# Altium PCB SVPXFMC_Carrier_6U.PcbDoc (part 1 of 3) (continued)
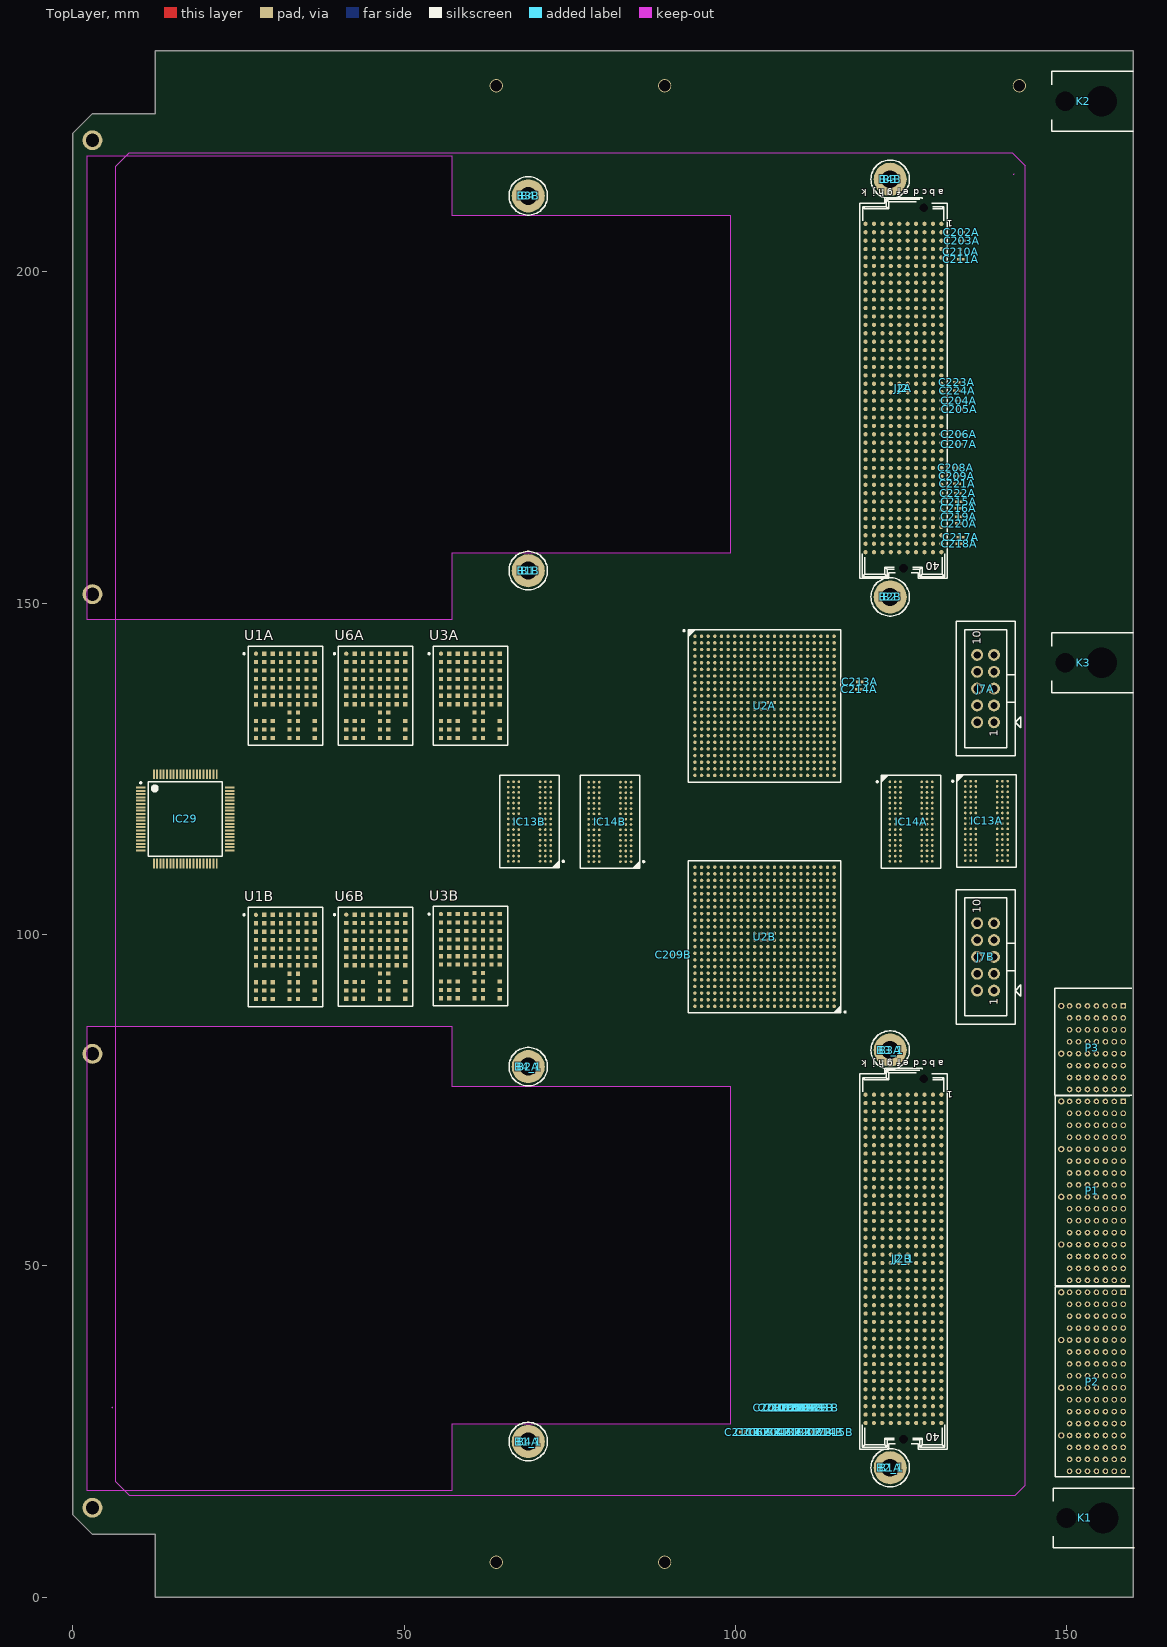
[diagram p0: TopLayer view]
## Classes and differential pairs (continued)
differential pair LA00_CCA: +LA00_CCA_P -LA00_CCA_N
differential pair HB21B: +HB21B_P -HB21B_N
differential pair HB21A: +HB21A_P -HB21A_N
differential pair HB20B: +HB20B_P -HB20B_N
differential pair HB20A: +HB20A_P -HB20A_N
differential pair HB19B: +HB19B_P -HB19B_N
differential pair HB19A: +HB19A_P -HB19A_N
differential pair HB18B: +HB18B_P -HB18B_N
differential pair HB18A: +HB18A_P -HB18A_N
differential pair HB17_CCB: +HB17_CCB_P -HB17_CCB_N
differential pair HB17_CCA: +HB17_CCA_P -HB17_CCA_N
differential pair HB16B: +HB16B_P -HB16B_N
differential pair HB16A: +HB16A_P -HB16A_N
differential pair HB15B: +HB15B_P -HB15B_N
differential pair HB15A: +HB15A_P -HB15A_N
differential pair HB14B: +HB14B_P -HB14B_N
differential pair HB14A: +HB14A_P -HB14A_N
differential pair HB13B: +HB13B_P -HB13B_N
differential pair HB13A: +HB13A_P -HB13A_N
differential pair HB12B: +HB12B_P -HB12B_N
differential pair HB12A: +HB12A_P -HB12A_N
differential pair HB11B: +HB11B_P -HB11B_N
differential pair HB11A: +HB11A_P -HB11A_N
differential pair HB10B: +HB10B_P -HB10B_N
differential pair HB10A: +HB10A_P -HB10A_N
differential pair HB09B: +HB09B_P -HB09B_N
differential pair HB09A: +HB09A_P -HB09A_N
differential pair HB08B: +HB08B_P -HB08B_N
differential pair HB08A: +HB08A_P -HB08A_N
differential pair HB07B: +HB07B_P -HB07B_N
differential pair HB07A: +HB07A_P -HB07A_N
differential pair HB06_CCB: +HB06_CCB_P -HB06_CCB_N
differential pair HB06_CCA: +HB06_CCA_P -HB06_CCA_N
differential pair HB05B: +HB05B_P -HB05B_N
differential pair HB05A: +HB05A_P -HB05A_N
differential pair HB04B: +HB04B_P -HB04B_N
differential pair HB04A: +HB04A_P -HB04A_N
differential pair HB03B: +HB03B_P -HB03B_N
differential pair HB03A: +HB03A_P -HB03A_N
differential pair HB02B: +HB02B_P -HB02B_N
differential pair HB02A: +HB02A_P -HB02A_N
differential pair HB01B: +HB01B_P -HB01B_N
differential pair HB01A: +HB01A_P -HB01A_N
differential pair HB00_CCB: +HB00_CCB_P -HB00_CCB_N
differential pair HB00_CCA: +HB00_CCA_P -HB00_CCA_N
differential pair HA23B: +HA23B_P -HA23B_N
differential pair HA23A: +HA23A_P -HA23A_N
differential pair HA22B: +HA22B_P -HA22B_N
differential pair HA22A: +HA22A_P -HA22A_N
differential pair HA21B: +HA21B_P -HA21B_N
differential pair HA21A: +HA21A_P -HA21A_N
differential pair HA20B: +HA20B_P -HA20B_N
differential pair HA20A: +HA20A_P -HA20A_N
differential pair HA19B: +HA19B_P -HA19B_N
differential pair HA19A: +HA19A_P -HA19A_N
differential pair HA18B: +HA18B_P -HA18B_N
differential pair HA18A: +HA18A_P -HA18A_N
differential pair HA17_CCB: +HA17_CCB_P -HA17_CCB_N
differential pair HA17_CCA: +HA17_CCA_P -HA17_CCA_N
differential pair HA16B: +HA16B_P -HA16B_N
differential pair HA16A: +HA16A_P -HA16A_N
differential pair HA15B: +HA15B_P -HA15B_N
differential pair HA15A: +HA15A_P -HA15A_N
differential pair HA14B: +HA14B_P -HA14B_N
differential pair HA14A: +HA14A_P -HA14A_N
differential pair HA13B: +HA13B_P -HA13B_N
differential pair HA13A: +HA13A_P -HA13A_N
differential pair HA12B: +HA12B_P -HA12B_N
differential pair HA12A: +HA12A_P -HA12A_N
differential pair HA11B: +HA11B_P -HA11B_N
differential pair HA11A: +HA11A_P -HA11A_N
differential pair HA10B: +HA10B_P -HA10B_N
differential pair HA10A: +HA10A_P -HA10A_N
differential pair HA09B: +HA09B_P -HA09B_N
differential pair HA09A: +HA09A_P -HA09A_N
differential pair HA08B: +HA08B_P -HA08B_N
differential pair HA08A: +HA08A_P -HA08A_N
differential pair HA07B: +HA07B_P -HA07B_N
differential pair HA07A: +HA07A_P -HA07A_N
differential pair HA06B: +HA06B_P -HA06B_N
differential pair HA06A: +HA06A_P -HA06A_N
differential pair HA05B: +HA05B_P -HA05B_N
differential pair HA05A: +HA05A_P -HA05A_N
differential pair HA04B: +HA04B_P -HA04B_N
differential pair HA04A: +HA04A_P -HA04A_N
differential pair HA03B: +HA03B_P -HA03B_N
differential pair HA03A: +HA03A_P -HA03A_N
differential pair HA02B: +HA02B_P -HA02B_N
differential pair HA02A: +HA02A_P -HA02A_N
differential pair HA01_CCB: +HA01_CCB_P -HA01_CCB_N
differential pair HA01_CCA: +HA01_CCA_P -HA01_CCA_N
differential pair HA00_CCB: +HA00_CCB_P -HA00_CCB_N
differential pair HA00_CCA: +HA00_CCA_P -HA00_CCA_N
differential pair GBTCLK1_M2CB: +GBTCLK1_M2CB_P -GBTCLK1_M2CB_N
differential pair GBTCLK1_M2CA: +GBTCLK1_M2CA_P -GBTCLK1_M2CA_N
differential pair GBTCLK0_M2CB: +GBTCLK0_M2CB_P -GBTCLK0_M2CB_N
differential pair GBTCLK0_M2CA: +GBTCLK0_M2CA_P -GBTCLK0_M2CA_N
differential pair DP9_M2CB: +DP9_M2CB_P -DP9_M2CB_N
differential pair DP9_M2CA: +DP9_M2CA_P -DP9_M2CA_N
differential pair DP9_C2MB: +DP9_C2MB_P -DP9_C2MB_N
differential pair DP9_C2MA: +DP9_C2MA_P -DP9_C2MA_N
differential pair DP8_M2CB: +DP8_M2CB_P -DP8_M2CB_N
differential pair DP8_M2CA: +DP8_M2CA_P -DP8_M2CA_N
differential pair DP8_C2MB: +DP8_C2MB_P -DP8_C2MB_N
differential pair DP8_C2MA: +DP8_C2MA_P -DP8_C2MA_N
differential pair DP7_M2CB: +DP7_M2CB_P -DP7_M2CB_N
differential pair DP7_M2CA: +DP7_M2CA_P -DP7_M2CA_N
differential pair DP7_C2MB: +DP7_C2MB_P -DP7_C2MB_N
differential pair DP7_C2MA: +DP7_C2MA_P -DP7_C2MA_N
differential pair DP6_M2CB: +DP6_M2CB_P -DP6_M2CB_N
differential pair DP6_M2CA: +DP6_M2CA_P -DP6_M2CA_N
differential pair DP6_C2MB: +DP6_C2MB_P -DP6_C2MB_N
differential pair DP6_C2MA: +DP6_C2MA_P -DP6_C2MA_N
differential pair DP5_M2CB: +DP5_M2CB_P -DP5_M2CB_N
differential pair DP5_M2CA: +DP5_M2CA_P -DP5_M2CA_N
differential pair DP5_C2MB: +DP5_C2MB_P -DP5_C2MB_N
differential pair DP5_C2MA: +DP5_C2MA_P -DP5_C2MA_N
differential pair DP4_M2CB: +DP4_M2CB_P -DP4_M2CB_N
differential pair DP4_M2CA: +DP4_M2CA_P -DP4_M2CA_N
differential pair DP4_C2MB: +DP4_C2MB_P -DP4_C2MB_N
differential pair DP4_C2MA: +DP4_C2MA_P -DP4_C2MA_N
differential pair DP3_M2CB: +DP3_M2CB_P -DP3_M2CB_N
differential pair DP3_M2CA: +DP3_M2CA_P -DP3_M2CA_N
differential pair DP3_C2MB: +DP3_C2MB_P -DP3_C2MB_N
differential pair DP3_C2MA: +DP3_C2MA_P -DP3_C2MA_N
differential pair DP2_M2CB: +DP2_M2CB_P -DP2_M2CB_N
differential pair DP2_M2CA: +DP2_M2CA_P -DP2_M2CA_N
differential pair DP2_C2MB: +DP2_C2MB_P -DP2_C2MB_N
differential pair DP2_C2MA: +DP2_C2MA_P -DP2_C2MA_N
differential pair DP1_M2CB: +DP1_M2CB_P -DP1_M2CB_N
differential pair DP1_M2CA: +DP1_M2CA_P -DP1_M2CA_N
differential pair DP1_C2MB: +DP1_C2MB_P -DP1_C2MB_N
differential pair DP1_C2MA: +DP1_C2MA_P -DP1_C2MA_N
differential pair DP0_M2CB: +DP0_M2CB_P -DP0_M2CB_N
differential pair DP0_M2CA: +DP0_M2CA_P -DP0_M2CA_N
differential pair DP0_C2MB: +DP0_C2MB_P -DP0_C2MB_N
differential pair DP0_C2MA: +DP0_C2MA_P -DP0_C2MA_N
differential pair CLK3_BIDIRB: +CLK3_BIDIRB_P -CLK3_BIDIRB_N
differential pair CLK3_BIDIRA: +CLK3_BIDIRA_P -CLK3_BIDIRA_N
differential pair CLK2_BIDIRB: +CLK2_BIDIRB_P -CLK2_BIDIRB_N
differential pair CLK2_BIDIRA: +CLK2_BIDIRA_P -CLK2_BIDIRA_N
differential pair CLK1_M2CB: +CLK1_M2CB_P -CLK1_M2CB_N
differential pair CLK1_M2CA: +CLK1_M2CA_P -CLK1_M2CA_N
differential pair CLK0_M2CB: +CLK0_M2CB_P -CLK0_M2CB_N
differential pair CLK0_M2CA: +CLK0_M2CA_P -CLK0_M2CA_N
differential pair CANB: +CANB_P -CANB_N
differential pair CANBR: +CANBR_P -CANBR_N
differential pair CANA: +CANA_P -CANA_N
differential pair CANAR: +CANAR_P -CANAR_N
differential pair AUX_CLK_AB: +AUX_CLK_AB_P -AUX_CLK_AB_N
differential pair SpW_B_Sout: +SpW_B_Sout_P -SpW_B_Sout_N
differential pair SpW_B_Sin: +SpW_B_Sin_P -SpW_B_Sin_N
differential pair SpW_B_Dout: +SpW_B_Dout_P -SpW_B_Dout_N
differential pair SpW_B_Din: +SpW_B_Din_P -SpW_B_Din_N
differential pair SpW_A_Sout: +SpW_A_Sout_P -SpW_A_Sout_N
differential pair SpW_A_Sin: +SpW_A_Sin_P -SpW_A_Sin_N
differential pair SpW_A_Dout: +SpW_A_Dout_P -SpW_A_Dout_N
differential pair SpW_A_Din: +SpW_A_Din_P -SpW_A_Din_N
differential pair REF_CLK_A: +REF_CLK_A_P -REF_CLK_A_N
differential pair AUX_CLK_A: +AUX_CLK_A_P -AUX_CLK_A_N

## Components (designator, comment, footprint, x,y, rotation, side; value= is the part's Value field where it differs from the comment)
B1 "Plated Hole" MTG270_500 68.741,154.888 r0 top
B1_1 "Plated Hole" MTG270_500 68.741,23.518 r0 top (schematic designator B1)
B1A "Plated Hole" MTG270_500 123.341,19.568 r0 top (schematic designator B1)
B1B "Plated Hole" MTG270_500 68.741,154.888 r0 top (schematic designator B1)
B2 "Plated Hole" MTG270_500 123.341,150.938 r0 top
B2_1 "Plated Hole" MTG270_500 123.341,19.568 r0 top (schematic designator B2)
B2A "Plated Hole" MTG270_500 68.741,80.068 r0 top (schematic designator B2)
B2B "Plated Hole" MTG270_500 123.341,150.938 r0 top (schematic designator B2)
B3 "Plated Hole" MTG270_500 123.341,213.938 r0 top
B3_1 "Plated Hole" MTG270_500 123.341,82.568 r0 top (schematic designator B3)
B3A "Plated Hole" MTG270_500 123.341,82.568 r0 top (schematic designator B3)
B3B "Plated Hole" MTG270_500 68.741,211.438 r0 top (schematic designator B3)
B4 "Plated Hole" MTG270_500 68.741,211.438 r0 top
B4_1 "Plated Hole" MTG270_500 68.741,80.068 r0 top (schematic designator B4)
B4A "Plated Hole" MTG270_500 68.741,23.518 r0 top (schematic designator B4)
B4B "Plated Hole" MTG270_500 123.341,213.938 r0 top (schematic designator B4)
C202A "100nF" CAPC0603X33N 134.05,205.942 r0 top (schematic designator C202)
C202B "100nF" CAPC0603X33N 107.635,28.65 r90 top (schematic designator C202)
C203A "100nF" CAPC0603X33N 134.121,204.672 r180 top (schematic designator C203)
C203B "100nF" CAPC0603X33N 104.235,24.946 r180 top (schematic designator C203)
C204A "100nF" CAPC0603X33N 133.65,180.542 r180 top (schematic designator C204)
C204B "100nF" CAPC0603X33N 105.785,24.946 r180 top (schematic designator C204)
C205A "100nF" CAPC0603X33N 133.75,179.272 r0 top (schematic designator C205)
C205B "100nF" CAPC0603X33N 108.385,28.65 r90 top (schematic designator C205)
C206A "100nF" CAPC0603X33N 133.65,175.462 r180 top (schematic designator C206)
C206B "100nF" CAPC0603X33N 102.685,24.946 r180 top (schematic designator C206)
C207A "100nF" CAPC0603X33N 133.65,173.964 r0 top (schematic designator C207)
C207B "100nF" CAPC0603X33N 106.885,28.65 r90 top (schematic designator C207)
C208A "100nF" CAPC0603X33N 133.25,170.382 r180 top (schematic designator C208)
C208B "100nF" CAPC0603X33N 105.385,28.65 r90 top (schematic designator C208)
C209A "100nF" CAPC0603X33N 133.371,169.112 r180 top (schematic designator C209)
C209B "100nF" CAPC0603X33N 90.65,96.975 r180 top (schematic designator C209)
C210A "100nF" CAPC0603X33N 134,203 r90 top (schematic designator C210)
C210B "100nF" CAPC0603X33N 106.135,28.65 r90 top (schematic designator C210)
C211A "100nF" CAPC0603X33N 134,201.862 r180 top (schematic designator C211)
C211B "100nF" CAPC0603X33N 101.135,24.946 r180 top (schematic designator C211)
C213A "100nF" CAPC0603X33N 118.756,138.097 r180 top (schematic designator C213)
C213B "100nF" CAPC0603X33N 107.335,24.946 r180 top (schematic designator C213)
C214A "100nF" CAPC0603X33N 118.643,137.017 r180 top (schematic designator C214)
C214B "100nF" CAPC0603X33N 113.535,24.946 r180 top (schematic designator C214)
C215A "100nF" CAPC0603X33N 133.7,165.302 r180 top (schematic designator C215)
C215B "100nF" CAPC0603X33N 115.085,24.946 r180 top (schematic designator C215)
C216A "100nF" CAPC0603X33N 133.6,164.286 r0 top (schematic designator C216)
C216B "100nF" CAPC0603X33N 109.135,28.65 r90 top (schematic designator C216)
C217A "100nF" CAPC0603X33N 133.95,159.952 r180 top (schematic designator C217)
C217B "100nF" CAPC0603X33N 111.985,24.946 r180 top (schematic designator C217)
C218A "100nF" CAPC0603X33N 133.771,158.952 r180 top (schematic designator C218)
C218B "100nF" CAPC0603X33N 108.885,24.946 r180 top (schematic designator C218)
C219A "100nF" CAPC0603X33N 133.7,163.032 r0 top (schematic designator C219)
C219B "100nF" CAPC0603X33N 112.135,28.65 r90 top (schematic designator C219)
C220A "100nF" CAPC0603X33N 133.721,162 r180 top (schematic designator C220)
C220B "100nF" CAPC0603X33N 110.435,24.946 r180 top (schematic designator C220)
C221A "100nF" CAPC0603X33N 133.421,167.988 r0 top (schematic designator C221)
C221B "100nF" CAPC0603X33N 112.885,28.65 r90 top (schematic designator C221)
C222A "100nF" CAPC0603X33N 133.55,166.572 r0 top (schematic designator C222)
C222B "100nF" CAPC0603X33N 111.385,28.65 r90 top (schematic designator C222)
C223A "100nF" CAPC0603X33N 133.371,183.311 r0 top (schematic designator C223)
C223B "100nF" CAPC0603X33N 109.885,28.65 r90 top (schematic designator C223)
C224A "100nF" CAPC0603X33N 133.421,182.041 r0 top (schematic designator C224)
C224B "100nF" CAPC0603X33N 110.635,28.65 r90 top (schematic designator C224)
Designator62 "Comment" BOSSARD_BN5687-3061597_v 68.741,211.438 r270 bottom
Designator63 "Comment" BOSSARD_BN5687-3061597_v 123.341,213.938 r270 bottom
Designator64 "Comment" BOSSARD_BN5687-3061597_v 123.341,150.938 r270 bottom
Designator65 "Comment" BOSSARD_BN5687-3061597_v 68.741,154.888 r270 bottom
Designator66 "Comment" BOSSARD_BN5687-3061597_v 68.741,80.068 r270 bottom
Designator67 "Comment" BOSSARD_BN5687-3061597_v 123.341,82.568 r270 bottom
Designator68 "Comment" BOSSARD_BN5687-3061597_v 123.341,19.568 r270 bottom
Designator69 "Comment" BOSSARD_BN5687-3061597_v 68.741,23.518 r270 bottom
IC13A "MT40A512M16HA-083E:A" BGA96C80P9X16_900X1400X120 137.871,117.138 r0 top (schematic designator IC13)
IC13B "MT40A512M16HA-083E:A" BGA96C80P9X16_900X1400X120 68.923,117.038 r180 top (schematic designator IC13)
IC14A "MT40A512M16HA-083E:A" BGA96C80P9X16_900X1400X120 126.492,117.037 r0 top (schematic designator IC14)
IC14B "MT40A512M16HA-083E:A" BGA96C80P9X16_900X1400X120 81.051,117 r180 top (schematic designator IC14)
IC29 "MSP430FR5994IPN" PQFP50P1400X1400-80N 17,117.438 r0 top
J2 "VITA 57" SAMTEC_ASP-134486-01 125.341,182.447 r90 top
J2_1 "VITA 57" SAMTEC_ASP-134486-01 125.341,51.077 r90 top (schematic designator J2)
J2A "VITA 57" SAMTEC_ASP-134486-01 125.341,182.447 r90 top (schematic designator J2)
J2B "VITA 57" SAMTEC_ASP-134486-01 125.341,51.077 r90 top (schematic designator J2)
J7A "C-Grid®" MOLEX_70246-1004 137.73,137.097 r90 top (schematic designator J7)
J7B "C-Grid®" MOLEX_70246-1004 137.73,96.625 r90 top (schematic designator J7)
K1 "VPX Connector" BTB5-5-2H2F 149.923,11.989 r90 top locked
K2 "VPX Connector" BTB5-5-2H2F 149.75,225.7 r90 top locked
K3 "VPX Connector" BTB5-5-2H2F 149.75,141 r90 top locked
P1 "VPX Connector" BTB1-8-4H112M 158.5,74.83 r90 top locked
P2 "VPX Connector" BTB1-8-4H112M 158.5,46.03 r90 top locked
P3 "VPX Connector" BTB1-8-2H56M 158.5,89.23 r90 top locked
U1A "LTM8033IV#PBF" LT-LGA-76-15000X11250X4320_V 32.095,136.017 r0 top (schematic designator U1)
U1B "LTM8033IV#PBF" LT-LGA-76-15000X11250X4320_V 32.095,96.625 r0 top (schematic designator U1)
U2A "MPF300TS-1FCG484EES" BGA484C100P22X22_2300X2300X320 104.385,134.5 r0 top (schematic designator U2)
U2B "MPF300TS-1FCG484EES" BGA484C100P22X22_2300X2300X320 104.385,99.665 r180 top (schematic designator U2)
U3A "LTM8033IV#PBF" LT-LGA-76-15000X11250X4320_V 60.008,136.017 r0 top (schematic designator U3)
U3B "LTM8033IV#PBF" LT-LGA-76-15000X11250X4320_V 60.008,96.73 r0 top (schematic designator U3)
U6A "LTM8033IV#PBF" LT-LGA-76-15000X11250X4320_V 45.73,136.017 r0 top (schematic designator U6)
U6B "LTM8033IV#PBF" LT-LGA-76-15000X11250X4320_V 45.73,96.65 r0 top (schematic designator U6)

## Footprints (in the part's own frame and the unit in brackets; to place one, negate y for a bottom-side part, rotate by r counter-clockwise, add the part's x,y. Pads: shape width x height; smd on the part's side, far side on the other; paste and mask are expansions set on the pad)
BGA96C80P9X16_900X1400X120 [mm] "BGA 0.8mm, Pitch, Square 96 Pin, 9 Columns x 16 Rows, Body 14mm X 9mm X 1.2mm H"
  round 0.4 smd: A1(-3.2,6) A2(-2.4,6) A3(-1.6,6) A7(1.6,6) A8(2.4,6) A9(3.2,6) B1(-3.2,5.2) B2(-2.4,5.2) B3(-1.6,5.2) B7(1.6,5.2) B8(2.4,5.2) B9(3.2,5.2) C1(-3.2,4.4) C2(-2.4,4.4) C3(-1.6,4.4) C7(1.6,4.4) C8(2.4,4.4) C9(3.2,4.4) D1(-3.2,3.6) D2(-2.4,3.6) D3(-1.6,3.6) D7(1.6,3.6) D8(2.4,3.6) D9(3.2,3.6) E1(-3.2,2.8) E2(-2.4,2.8) E3(-1.6,2.8) E7(1.6,2.8) E8(2.4,2.8) E9(3.2,2.8) F1(-3.2,2) F2(-2.4,2) F3(-1.6,2) F7(1.6,2) F8(2.4,2) F9(3.2,2) G1(-3.2,1.2) G2(-2.4,1.2) G3(-1.6,1.2) G7(1.6,1.2) G8(2.4,1.2) G9(3.2,1.2) H1(-3.2,0.4) H2(-2.4,0.4) H3(-1.6,0.4) H7(1.6,0.4) H8(2.4,0.4) H9(3.2,0.4) J1(-3.2,-0.4) J2(-2.4,-0.4) J3(-1.6,-0.4) J7(1.6,-0.4) J8(2.4,-0.4) J9(3.2,-0.4) K1(-3.2,-1.2) K2(-2.4,-1.2) K3(-1.6,-1.2) K7(1.6,-1.2) K8(2.4,-1.2) K9(3.2,-1.2) L1(-3.2,-2) L2(-2.4,-2) L3(-1.6,-2) L7(1.6,-2) L8(2.4,-2) L9(3.2,-2) M1(-3.2,-2.8) M2(-2.4,-2.8) M3(-1.6,-2.8) M7(1.6,-2.8) M8(2.4,-2.8) M9(3.2,-2.8) N1(-3.2,-3.6) N2(-2.4,-3.6) N3(-1.6,-3.6) N7(1.6,-3.6) N8(2.4,-3.6) N9(3.2,-3.6) P1(-3.2,-4.4) P2(-2.4,-4.4) P3(-1.6,-4.4) P7(1.6,-4.4) P8(2.4,-4.4) P9(3.2,-4.4) R1(-3.2,-5.2) R2(-2.4,-5.2) R3(-1.6,-5.2) R7(1.6,-5.2) R8(2.4,-5.2) R9(3.2,-5.2) T1(-3.2,-6) T2(-2.4,-6) T3(-1.6,-6) T7(1.6,-6) T8(2.4,-6) T9(3.2,-6)
  silkscreen extent -5.22,-7 4.5,7, body extent -4.57,-7.07 4.58,7.08, height 1.2
BGA484C100P22X22_2300X2300X320 [mm] "BGA, 484-Leads, Body 23.00x23.00mmx3.20mm, Pitch 1.00mm"
  round 0.52 smd: A1(-10.5,10.5) A2(-9.5,10.5) A3(-8.5,10.5) A4(-7.5,10.5) A5(-6.5,10.5) A6(-5.5,10.5) A7(-4.5,10.5) A8(-3.5,10.5) A9(-2.5,10.5) A10(-1.5,10.5) A11(-0.5,10.5) A12(0.5,10.5) A13(1.5,10.5) A14(2.5,10.5) A15(3.5,10.5) A16(4.5,10.5) A17(5.5,10.5) A18(6.5,10.5) A19(7.5,10.5) A20(8.5,10.5) A21(9.5,10.5) A22(10.5,10.5) AA1(-10.5,-9.5) AA2(-9.5,-9.5) AA3(-8.5,-9.5) AA4(-7.5,-9.5) AA5(-6.5,-9.5) AA6(-5.5,-9.5) AA7(-4.5,-9.5) AA8(-3.5,-9.5) AA9(-2.5,-9.5) AA10(-1.5,-9.5) AA11(-0.5,-9.5) AA12(0.5,-9.5) AA13(1.5,-9.5) AA14(2.5,-9.5) AA15(3.5,-9.5) AA16(4.5,-9.5) AA17(5.5,-9.5) AA18(6.5,-9.5) AA19(7.5,-9.5) AA20(8.5,-9.5) AA21(9.5,-9.5) AA22(10.5,-9.5) AB1(-10.5,-10.5) AB2(-9.5,-10.5) AB3(-8.5,-10.5) AB4(-7.5,-10.5) AB5(-6.5,-10.5) AB6(-5.5,-10.5) AB7(-4.5,-10.5) AB8(-3.5,-10.5) AB9(-2.5,-10.5) AB10(-1.5,-10.5) AB11(-0.5,-10.5) AB12(0.5,-10.5) AB13(1.5,-10.5) AB14(2.5,-10.5) AB15(3.5,-10.5) AB16(4.5,-10.5) AB17(5.5,-10.5) AB18(6.5,-10.5) AB19(7.5,-10.5) AB20(8.5,-10.5) AB21(9.5,-10.5) AB22(10.5,-10.5) B1(-10.5,9.5) B2(-9.5,9.5) B3(-8.5,9.5) B4(-7.5,9.5) B5(-6.5,9.5) B6(-5.5,9.5) B7(-4.5,9.5) B8(-3.5,9.5) B9(-2.5,9.5) B10(-1.5,9.5) B11(-0.5,9.5) B12(0.5,9.5) B13(1.5,9.5) B14(2.5,9.5) B15(3.5,9.5) B16(4.5,9.5) B17(5.5,9.5) B18(6.5,9.5) B19(7.5,9.5) B20(8.5,9.5) B21(9.5,9.5) B22(10.5,9.5) C1(-10.5,8.5) C2(-9.5,8.5) C3(-8.5,8.5) C4(-7.5,8.5) C5(-6.5,8.5) C6(-5.5,8.5) C7(-4.5,8.5) C8(-3.5,8.5) C9(-2.5,8.5) C10(-1.5,8.5) C11(-0.5,8.5) C12(0.5,8.5) C13(1.5,8.5) C14(2.5,8.5) C15(3.5,8.5) C16(4.5,8.5) C17(5.5,8.5) C18(6.5,8.5) C19(7.5,8.5) C20(8.5,8.5) C21(9.5,8.5) C22(10.5,8.5) D1(-10.5,7.5) D2(-9.5,7.5) D3(-8.5,7.5) D4(-7.5,7.5) D5(-6.5,7.5) D6(-5.5,7.5) D7(-4.5,7.5) D8(-3.5,7.5) D9(-2.5,7.5) D10(-1.5,7.5) D11(-0.5,7.5) D12(0.5,7.5) D13(1.5,7.5) D14(2.5,7.5) D15(3.5,7.5) D16(4.5,7.5) D17(5.5,7.5) D18(6.5,7.5) D19(7.5,7.5) D20(8.5,7.5) D21(9.5,7.5) D22(10.5,7.5) E1(-10.5,6.5) E2(-9.5,6.5) E3(-8.5,6.5) E4(-7.5,6.5) E5(-6.5,6.5) E6(-5.5,6.5) E7(-4.5,6.5) E8(-3.5,6.5) E9(-2.5,6.5) E10(-1.5,6.5) E11(-0.5,6.5) E12(0.5,6.5) E13(1.5,6.5) E14(2.5,6.5) E15(3.5,6.5) E16(4.5,6.5) E17(5.5,6.5) E18(6.5,6.5) E19(7.5,6.5) E20(8.5,6.5) E21(9.5,6.5) E22(10.5,6.5) F1(-10.5,5.5) F2(-9.5,5.5) F3(-8.5,5.5) F4(-7.5,5.5) F5(-6.5,5.5) F6(-5.5,5.5) F7(-4.5,5.5) F8(-3.5,5.5) F9(-2.5,5.5) F10(-1.5,5.5) F11(-0.5,5.5) F12(0.5,5.5) F13(1.5,5.5) F14(2.5,5.5) F15(3.5,5.5) F16(4.5,5.5) F17(5.5,5.5) F18(6.5,5.5) F19(7.5,5.5) F20(8.5,5.5) F21(9.5,5.5) F22(10.5,5.5) G1(-10.5,4.5) G2(-9.5,4.5) G3(-8.5,4.5) G4(-7.5,4.5) G5(-6.5,4.5) G6(-5.5,4.5) G7(-4.5,4.5) G8(-3.5,4.5) G9(-2.5,4.5) G10(-1.5,4.5) G11(-0.5,4.5) G12(0.5,4.5) G13(1.5,4.5) G14(2.5,4.5) G15(3.5,4.5) G16(4.5,4.5) G17(5.5,4.5) G18(6.5,4.5) G19(7.5,4.5) G20(8.5,4.5) G21(9.5,4.5) G22(10.5,4.5) H1(-10.5,3.5) H2(-9.5,3.5) H3(-8.5,3.5) H4(-7.5,3.5) H5(-6.5,3.5) H6(-5.5,3.5) H7(-4.5,3.5) H8(-3.5,3.5) H9(-2.5,3.5) H10(-1.5,3.5) H11(-0.5,3.5) H12(0.5,3.5) H13(1.5,3.5) H14(2.5,3.5) H15(3.5,3.5) H16(4.5,3.5) H17(5.5,3.5) H18(6.5,3.5) H19(7.5,3.5) H20(8.5,3.5) H21(9.5,3.5) H22(10.5,3.5) J1(-10.5,2.5) J2(-9.5,2.5) J3(-8.5,2.5) J4(-7.5,2.5) J5(-6.5,2.5) J6(-5.5,2.5) J7(-4.5,2.5) J8(-3.5,2.5) J9(-2.5,2.5) J10(-1.5,2.5) J11(-0.5,2.5) J12(0.5,2.5) J13(1.5,2.5) J14(2.5,2.5) J15(3.5,2.5) J16(4.5,2.5) J17(5.5,2.5) J18(6.5,2.5) J19(7.5,2.5) J20(8.5,2.5) J21(9.5,2.5) J22(10.5,2.5) K1(-10.5,1.5) K2(-9.5,1.5) K3(-8.5,1.5) K4(-7.5,1.5) K5(-6.5,1.5) K6(-5.5,1.5) K7(-4.5,1.5) K8(-3.5,1.5) K9(-2.5,1.5) K10(-1.5,1.5) K11(-0.5,1.5) K12(0.5,1.5) K13(1.5,1.5) K14(2.5,1.5) K15(3.5,1.5) K16(4.5,1.5) K17(5.5,1.5) K18(6.5,1.5) K19(7.5,1.5) K20(8.5,1.5) K21(9.5,1.5) K22(10.5,1.5) L1(-10.5,0.5) L2(-9.5,0.5) L3(-8.5,0.5) L4(-7.5,0.5) L5(-6.5,0.5) L6(-5.5,0.5) L7(-4.5,0.5) L8(-3.5,0.5) L9(-2.5,0.5) L10(-1.5,0.5) L11(-0.5,0.5) L12(0.5,0.5) L13(1.5,0.5) L14(2.5,0.5) L15(3.5,0.5) L16(4.5,0.5) L17(5.5,0.5) L18(6.5,0.5) L19(7.5,0.5) L20(8.5,0.5) L21(9.5,0.5) L22(10.5,0.5) M1(-10.5,-0.5) M2(-9.5,-0.5) M3(-8.5,-0.5) M4(-7.5,-0.5) M5(-6.5,-0.5) M6(-5.5,-0.5) M7(-4.5,-0.5) M8(-3.5,-0.5) M9(-2.5,-0.5) M10(-1.5,-0.5) M11(-0.5,-0.5) M12(0.5,-0.5) M13(1.5,-0.5) M14(2.5,-0.5) M15(3.5,-0.5) M16(4.5,-0.5) M17(5.5,-0.5) M18(6.5,-0.5) M19(7.5,-0.5) M20(8.5,-0.5) M21(9.5,-0.5) M22(10.5,-0.5) N1(-10.5,-1.5) N2(-9.5,-1.5) N3(-8.5,-1.5) N4(-7.5,-1.5) N5(-6.5,-1.5) N6(-5.5,-1.5) N7(-4.5,-1.5) N8(-3.5,-1.5) N9(-2.5,-1.5) N10(-1.5,-1.5) N11(-0.5,-1.5) N12(0.5,-1.5) N13(1.5,-1.5) N14(2.5,-1.5) N15(3.5,-1.5) N16(4.5,-1.5) N17(5.5,-1.5) N18(6.5,-1.5) N19(7.5,-1.5) N20(8.5,-1.5) N21(9.5,-1.5) N22(10.5,-1.5) P1(-10.5,-2.5) P2(-9.5,-2.5) P3(-8.5,-2.5) P4(-7.5,-2.5) P5(-6.5,-2.5) P6(-5.5,-2.5) P7(-4.5,-2.5) P8(-3.5,-2.5) P9(-2.5,-2.5) P10(-1.5,-2.5) P11(-0.5,-2.5) P12(0.5,-2.5) P13(1.5,-2.5) P14(2.5,-2.5) P15(3.5,-2.5) P16(4.5,-2.5) P17(5.5,-2.5) P18(6.5,-2.5) P19(7.5,-2.5) P20(8.5,-2.5) P21(9.5,-2.5) P22(10.5,-2.5) R1(-10.5,-3.5) R2(-9.5,-3.5) R3(-8.5,-3.5) R4(-7.5,-3.5) R5(-6.5,-3.5) R6(-5.5,-3.5) R7(-4.5,-3.5) R8(-3.5,-3.5) R9(-2.5,-3.5) R10(-1.5,-3.5) R11(-0.5,-3.5) R12(0.5,-3.5) R13(1.5,-3.5) R14(2.5,-3.5) R15(3.5,-3.5) R16(4.5,-3.5) R17(5.5,-3.5) R18(6.5,-3.5) R19(7.5,-3.5) R20(8.5,-3.5) R21(9.5,-3.5) R22(10.5,-3.5) T1(-10.5,-4.5) T2(-9.5,-4.5) T3(-8.5,-4.5) T4(-7.5,-4.5) T5(-6.5,-4.5) T6(-5.5,-4.5) T7(-4.5,-4.5) T8(-3.5,-4.5) T9(-2.5,-4.5) T10(-1.5,-4.5) T11(-0.5,-4.5) T12(0.5,-4.5) T13(1.5,-4.5) T14(2.5,-4.5) T15(3.5,-4.5) T16(4.5,-4.5) T17(5.5,-4.5) T18(6.5,-4.5) T19(7.5,-4.5) T20(8.5,-4.5) T21(9.5,-4.5) T22(10.5,-4.5) U1(-10.5,-5.5) U2(-9.5,-5.5) U3(-8.5,-5.5) U4(-7.5,-5.5) U5(-6.5,-5.5) U6(-5.5,-5.5) U7(-4.5,-5.5) U8(-3.5,-5.5) U9(-2.5,-5.5) U10(-1.5,-5.5) U11(-0.5,-5.5) U12(0.5,-5.5) U13(1.5,-5.5) U14(2.5,-5.5) U15(3.5,-5.5) U16(4.5,-5.5) U17(5.5,-5.5) U18(6.5,-5.5) U19(7.5,-5.5) U20(8.5,-5.5) U21(9.5,-5.5) U22(10.5,-5.5) V1(-10.5,-6.5) V2(-9.5,-6.5) V3(-8.5,-6.5) V4(-7.5,-6.5) V5(-6.5,-6.5) V6(-5.5,-6.5) V7(-4.5,-6.5) V8(-3.5,-6.5) V9(-2.5,-6.5) V10(-1.5,-6.5) V11(-0.5,-6.5) V12(0.5,-6.5) V13(1.5,-6.5) V14(2.5,-6.5) V15(3.5,-6.5) V16(4.5,-6.5) V17(5.5,-6.5) V18(6.5,-6.5) V19(7.5,-6.5) V20(8.5,-6.5) V21(9.5,-6.5) V22(10.5,-6.5) W1(-10.5,-7.5) W2(-9.5,-7.5) W3(-8.5,-7.5) W4(-7.5,-7.5) W5(-6.5,-7.5) W6(-5.5,-7.5) W7(-4.5,-7.5) W8(-3.5,-7.5) W9(-2.5,-7.5) W10(-1.5,-7.5) W11(-0.5,-7.5) W12(0.5,-7.5) W13(1.5,-7.5) W14(2.5,-7.5) W15(3.5,-7.5) W16(4.5,-7.5) W17(5.5,-7.5) W18(6.5,-7.5) W19(7.5,-7.5) W20(8.5,-7.5) W21(9.5,-7.5) W22(10.5,-7.5) Y1(-10.5,-8.5) Y2(-9.5,-8.5) Y3(-8.5,-8.5) Y4(-7.5,-8.5) Y5(-6.5,-8.5) Y6(-5.5,-8.5) Y7(-4.5,-8.5) Y8(-3.5,-8.5) Y9(-2.5,-8.5) Y10(-1.5,-8.5) Y11(-0.5,-8.5) Y12(0.5,-8.5) Y13(1.5,-8.5) Y14(2.5,-8.5) Y15(3.5,-8.5) Y16(4.5,-8.5) Y17(5.5,-8.5) Y18(6.5,-8.5) Y19(7.5,-8.5) Y20(8.5,-8.5) Y21(9.5,-8.5) Y22(10.5,-8.5)
  silkscreen extent -12.27,-11.5 11.5,11.5, body extent -11.5,-11.5 11.5,11.5, height 3.2
BOSSARD_BN5687-3061597_v [mm] "M2.5 L=6mm Hexalobular Socket Pan Head Screw, Fully Threaded - Stainless Steel A2"
  body extent -2.5,-2.5 2.5,2.5, height 15.7
BTB1-8-2H56M [mm] "Board-to-Board Connector, Right Angle, 7-Row, Pitch 1.8mm, 56-Position"
  rect 0.85x0.85 hole 0.475: A1(0,0)
  round 0.85 hole 0.475: A2(-1.8,0) A3(-3.6,0) A4(-5.4,0) A5(-7.2,0) A6(-9,0) A7(-10.8,0) A8(-12.6,0) B1(0,1.35) B2(-1.8,1.35) B3(-3.6,1.35) B4(-5.4,1.35) B5(-7.2,1.35) B6(-9,1.35) B7(-10.8,1.35) B8(-12.6,1.35) C1(0,2.7) C2(-1.8,2.7) C3(-3.6,2.7) C4(-5.4,2.7) C5(-7.2,2.7) C6(-9,2.7) C7(-10.8,2.7) C8(-12.6,2.7) D1(0,4.05) D2(-1.8,4.05) D3(-3.6,4.05) D4(-5.4,4.05) D5(-7.2,4.05) D6(-9,4.05) D7(-10.8,4.05) D8(-12.6,4.05) E1(0,5.4) E2(-1.8,5.4) E3(-3.6,5.4) E4(-5.4,5.4) E5(-7.2,5.4) E6(-9,5.4) E7(-10.8,5.4) E8(-12.6,5.4) F1(0,6.75) F2(-1.8,6.75) F3(-3.6,6.75) F4(-5.4,6.75) F5(-7.2,6.75) F6(-9,6.75) F7(-10.8,6.75) F8(-12.6,6.75) G1(0,8.1) G2(-1.8,8.1) G3(-3.6,8.1) G4(-5.4,8.1) G5(-7.2,8.1) G6(-9,8.1) G7(-10.8,8.1) G8(-12.6,8.1)
  round 0.95 hole 0.56: MH1(-7.2,9.35) MH2(0,9.35)
  silkscreen extent -13.44,-1.27 2.64,10.31, body extent -13.44,-12 2.64,10.31, height 14.7
BTB1-8-4H112M [mm] "Board-to-Board Connector, Right Angle, 7-Row, Pitch 1.8mm, 112-Position"
  rect 0.85x0.85 hole 0.475: A1(0,0)
  round 0.85 hole 0.475: A2(-1.8,0) A3(-3.6,0) A4(-5.4,0) A5(-7.2,0) A6(-9,0) A7(-10.8,0) A8(-12.6,0) A9(-14.4,0) A10(-16.2,0) A11(-18,0) A12(-19.8,0) A13(-21.6,0) A14(-23.4,0) A15(-25.2,0) A16(-27,0) B1(0,1.35) B2(-1.8,1.35) B3(-3.6,1.35) B4(-5.4,1.35) B5(-7.2,1.35) B6(-9,1.35) B7(-10.8,1.35) B8(-12.6,1.35) B9(-14.4,1.35) B10(-16.2,1.35) B11(-18,1.35) B12(-19.8,1.35) B13(-21.6,1.35) B14(-23.4,1.35) B15(-25.2,1.35) B16(-27,1.35) C1(0,2.7) C2(-1.8,2.7) C3(-3.6,2.7) C4(-5.4,2.7) C5(-7.2,2.7) C6(-9,2.7) C7(-10.8,2.7) C8(-12.6,2.7) C9(-14.4,2.7) C10(-16.2,2.7) C11(-18,2.7) C12(-19.8,2.7) C13(-21.6,2.7) C14(-23.4,2.7) C15(-25.2,2.7) C16(-27,2.7) D1(0,4.05) D2(-1.8,4.05) D3(-3.6,4.05) D4(-5.4,4.05) D5(-7.2,4.05) D6(-9,4.05) D7(-10.8,4.05) D8(-12.6,4.05) D9(-14.4,4.05) D10(-16.2,4.05) D11(-18,4.05) D12(-19.8,4.05) D13(-21.6,4.05) D14(-23.4,4.05) D15(-25.2,4.05) D16(-27,4.05) E1(0,5.4) E2(-1.8,5.4) E3(-3.6,5.4) E4(-5.4,5.4) E5(-7.2,5.4) E6(-9,5.4) E7(-10.8,5.4) E8(-12.6,5.4) E9(-14.4,5.4) E10(-16.2,5.4) E11(-18,5.4) E12(-19.8,5.4) E13(-21.6,5.4) E14(-23.4,5.4) E15(-25.2,5.4) E16(-27,5.4) F1(0,6.75) F2(-1.8,6.75) F3(-3.6,6.75) F4(-5.4,6.75) F5(-7.2,6.75) F6(-9,6.75) F7(-10.8,6.75) F8(-12.6,6.75) F9(-14.4,6.75) F10(-16.2,6.75) F11(-18,6.75) F12(-19.8,6.75) F13(-21.6,6.75) F14(-23.4,6.75) F15(-25.2,6.75) F16(-27,6.75) G1(0,8.1) G2(-1.8,8.1) G3(-3.6,8.1) G4(-5.4,8.1) G5(-7.2,8.1) G6(-9,8.1) G7(-10.8,8.1) G8(-12.6,8.1) G9(-14.4,8.1) G10(-16.2,8.1) G11(-18,8.1) G12(-19.8,8.1) G13(-21.6,8.1) G14(-23.4,8.1) G15(-25.2,8.1) G16(-27,8.1)
  round 0.95 hole 0.56: MH1(-21.6,9.35) MH2(-14.4,9.35) MH3(-7.2,9.35) MH4(0,9.35)
  silkscreen extent -27.84,-1 0.84,10.25, body extent -27.84,-12 0.84,10.31, height 14.7
BTB5-5-2H2F [mm] "VPX VITA 46 Alignment key, Right Angle, 1Key, Key orientation 0"
  round 2.7 hole 3 unplated: MH1(0,0)
  round 4.35 hole 4.65 unplated: MH2(0,-5.5)
  silkscreen extent -4.5,-10.25 4.5,2, body extent -4.5,-21 4.5,1.75, height 9.64
CAPC0603X33N [mm] "Chip Capacitor, Body 0.6x0.30mm, IPC Medium Density"
  rect 0.45x0.4 smd: 1(-0.35,0) 2(0.35,0)
  body extent -0.31,-0.16 0.32,0.17, height 0.33
LT-LGA-76-15000X11250X4320_V [mm] "LGA, 76-Leads, Body 15x11.25mm, Pitch 1.27mm"
  round 0.635 smd: A1(-4.445,6.35)
  rect 0.635x0.635 smd: A2(-3.175,6.35) A3(-1.905,6.35) A4(-0.635,6.35) A5(0.635,6.35) A6(1.905,6.35) A7(3.175,6.35) A8(4.445,6.35) B1(-4.445,5.08) B2(-3.175,5.08) B3(-1.905,5.08) B4(-0.635,5.08) B5(0.635,5.08) B6(1.905,5.08) B7(3.175,5.08) B8(4.445,5.08) C1(-4.445,3.81) C2(-3.175,3.81) C3(-1.905,3.81) C4(-0.635,3.81) C5(0.635,3.81) C6(1.905,3.81) C7(3.175,3.81) C8(4.445,3.81) D1(-4.445,2.54) D2(-3.175,2.54) D3(-1.905,2.54) D4(-0.635,2.54) D5(0.635,2.54) D6(1.905,2.54) D7(3.175,2.54) D8(4.445,2.54) E1(-4.445,1.27) E2(-3.175,1.27) E3(-1.905,1.27) E4(-0.635,1.27) E5(0.635,1.27) E6(1.905,1.27) E7(3.175,1.27) E8(4.445,1.27) F1(-4.445,0) F2(-3.175,0) F3(-1.905,0) F4(-0.635,0) F5(0.635,0) F6(1.905,0) F7(3.175,0) F8(4.445,0) G1(-4.445,-1.27) G2(-3.175,-1.27) G3(-1.905,-1.27) G4(-0.635,-1.27) G5(0.635,-1.27) G6(1.905,-1.27) G7(3.175,-1.27) G8(4.445,-1.27) H5(0.635,-2.54) H6(1.905,-2.54) J1(-4.445,-3.81) J2(-3.175,-3.81) J3(-1.905,-3.81) J5(0.635,-3.81) J6(1.905,-3.81) J8(4.445,-3.81) K1(-4.445,-5.08) K2(-3.175,-5.08) K3(-1.905,-5.08) K5(0.635,-5.08) K6(1.905,-5.08) K8(4.445,-5.08) L1(-4.445,-6.35) L2(-3.175,-6.35) L3(-1.905,-6.35) L5(0.635,-6.35) L6(1.905,-6.35) L8(4.445,-6.35)
  silkscreen extent -6.35,-7.5 5.63,7.5, body extent -5.63,-7.5 5.63,7.5, height 4.42
MOLEX_70246-1004 [mm] "2.54mm Pitch C-Grid® Header, Low Profile, Dual Row, Vertical, Shrouded Header"
  round 1.8 hole 1.1: 1(-5.08,-1.27) 2(-5.08,1.27) 3(-2.54,-1.27) 4(-2.54,1.27) 5(0,-1.27) 6(0,1.27) 7(2.54,-1.27) 8(2.54,1.27) 9(5.08,-1.27) 10(5.08,1.27)
  silkscreen extent -10.16,-5.31 10.16,4.45, body extent -10.16,-4.44 10.16,4.45, height 9.27
MTG270_500 [mm] "Plated Through Hole: Hole Dia.=2.7mm Pad Dia.=5.0mm"
  round 5 hole 2.7: 1(0,0)
PQFP50P1400X1400-80N [mm] "PQFP, 80-Leads, Body 12,00x12,00mm, Pitch 0,50mm, IPC Medium Density"
  rect 1.45x0.3 smd: 1(-6.725,4.75) 2(-6.725,4.25) 3(-6.725,3.75) 4(-6.725,3.25) 5(-6.725,2.75) 6(-6.725,2.25) 7(-6.725,1.75) 8(-6.725,1.25) 9(-6.725,0.75) 10(-6.725,0.25) 11(-6.725,-0.25) 12(-6.725,-0.75) 13(-6.725,-1.25) 14(-6.725,-1.75) 15(-6.725,-2.25) 16(-6.725,-2.75) 17(-6.725,-3.25) 18(-6.725,-3.75) 19(-6.725,-4.25) 20(-6.725,-4.75) 41(6.725,-4.75) 42(6.725,-4.25) 43(6.725,-3.75) 44(6.725,-3.25) 45(6.725,-2.75) 46(6.725,-2.25) 47(6.725,-1.75) 48(6.725,-1.25) 49(6.725,-0.75) 50(6.725,-0.25) 51(6.725,0.25) 52(6.725,0.75) 53(6.725,1.25) 54(6.725,1.75) 55(6.725,2.25) 56(6.725,2.75) 57(6.725,3.25) 58(6.725,3.75) 59(6.725,4.25) 60(6.725,4.75)
  rect 0.3x1.45 smd: 21(-4.75,-6.725) 22(-4.25,-6.725) 23(-3.75,-6.725) 24(-3.25,-6.725) 25(-2.75,-6.725) 26(-2.25,-6.725) 27(-1.75,-6.725) 28(-1.25,-6.725) 29(-0.75,-6.725) 30(-0.25,-6.725) 31(0.25,-6.725) 32(0.75,-6.725) 33(1.25,-6.725) 34(1.75,-6.725) 35(2.25,-6.725) 36(2.75,-6.725) 37(3.25,-6.725) 38(3.75,-6.725) 39(4.25,-6.725) 40(4.75,-6.725) 61(4.75,6.725) 62(4.25,6.725) 63(3.75,6.725) 64(3.25,6.725) 65(2.75,6.725) 66(2.25,6.725) 67(1.75,6.725) 68(1.25,6.725) 69(0.75,6.725) 70(0.25,6.725) 71(-0.25,6.725) 72(-0.75,6.725) 73(-1.25,6.725) 74(-1.75,6.725) 75(-2.25,6.725) 76(-2.75,6.725) 77(-3.25,6.725) 78(-3.75,6.725) 79(-4.25,6.725) 80(-4.75,6.725)
  silkscreen extent -6.85,-5.6 5.6,5.6, body extent -7,-7 7,7, height 1.6